# Altium PCB DIOT_Kasli_Adapter.PcbDoc (part 3 of 10) (continued)
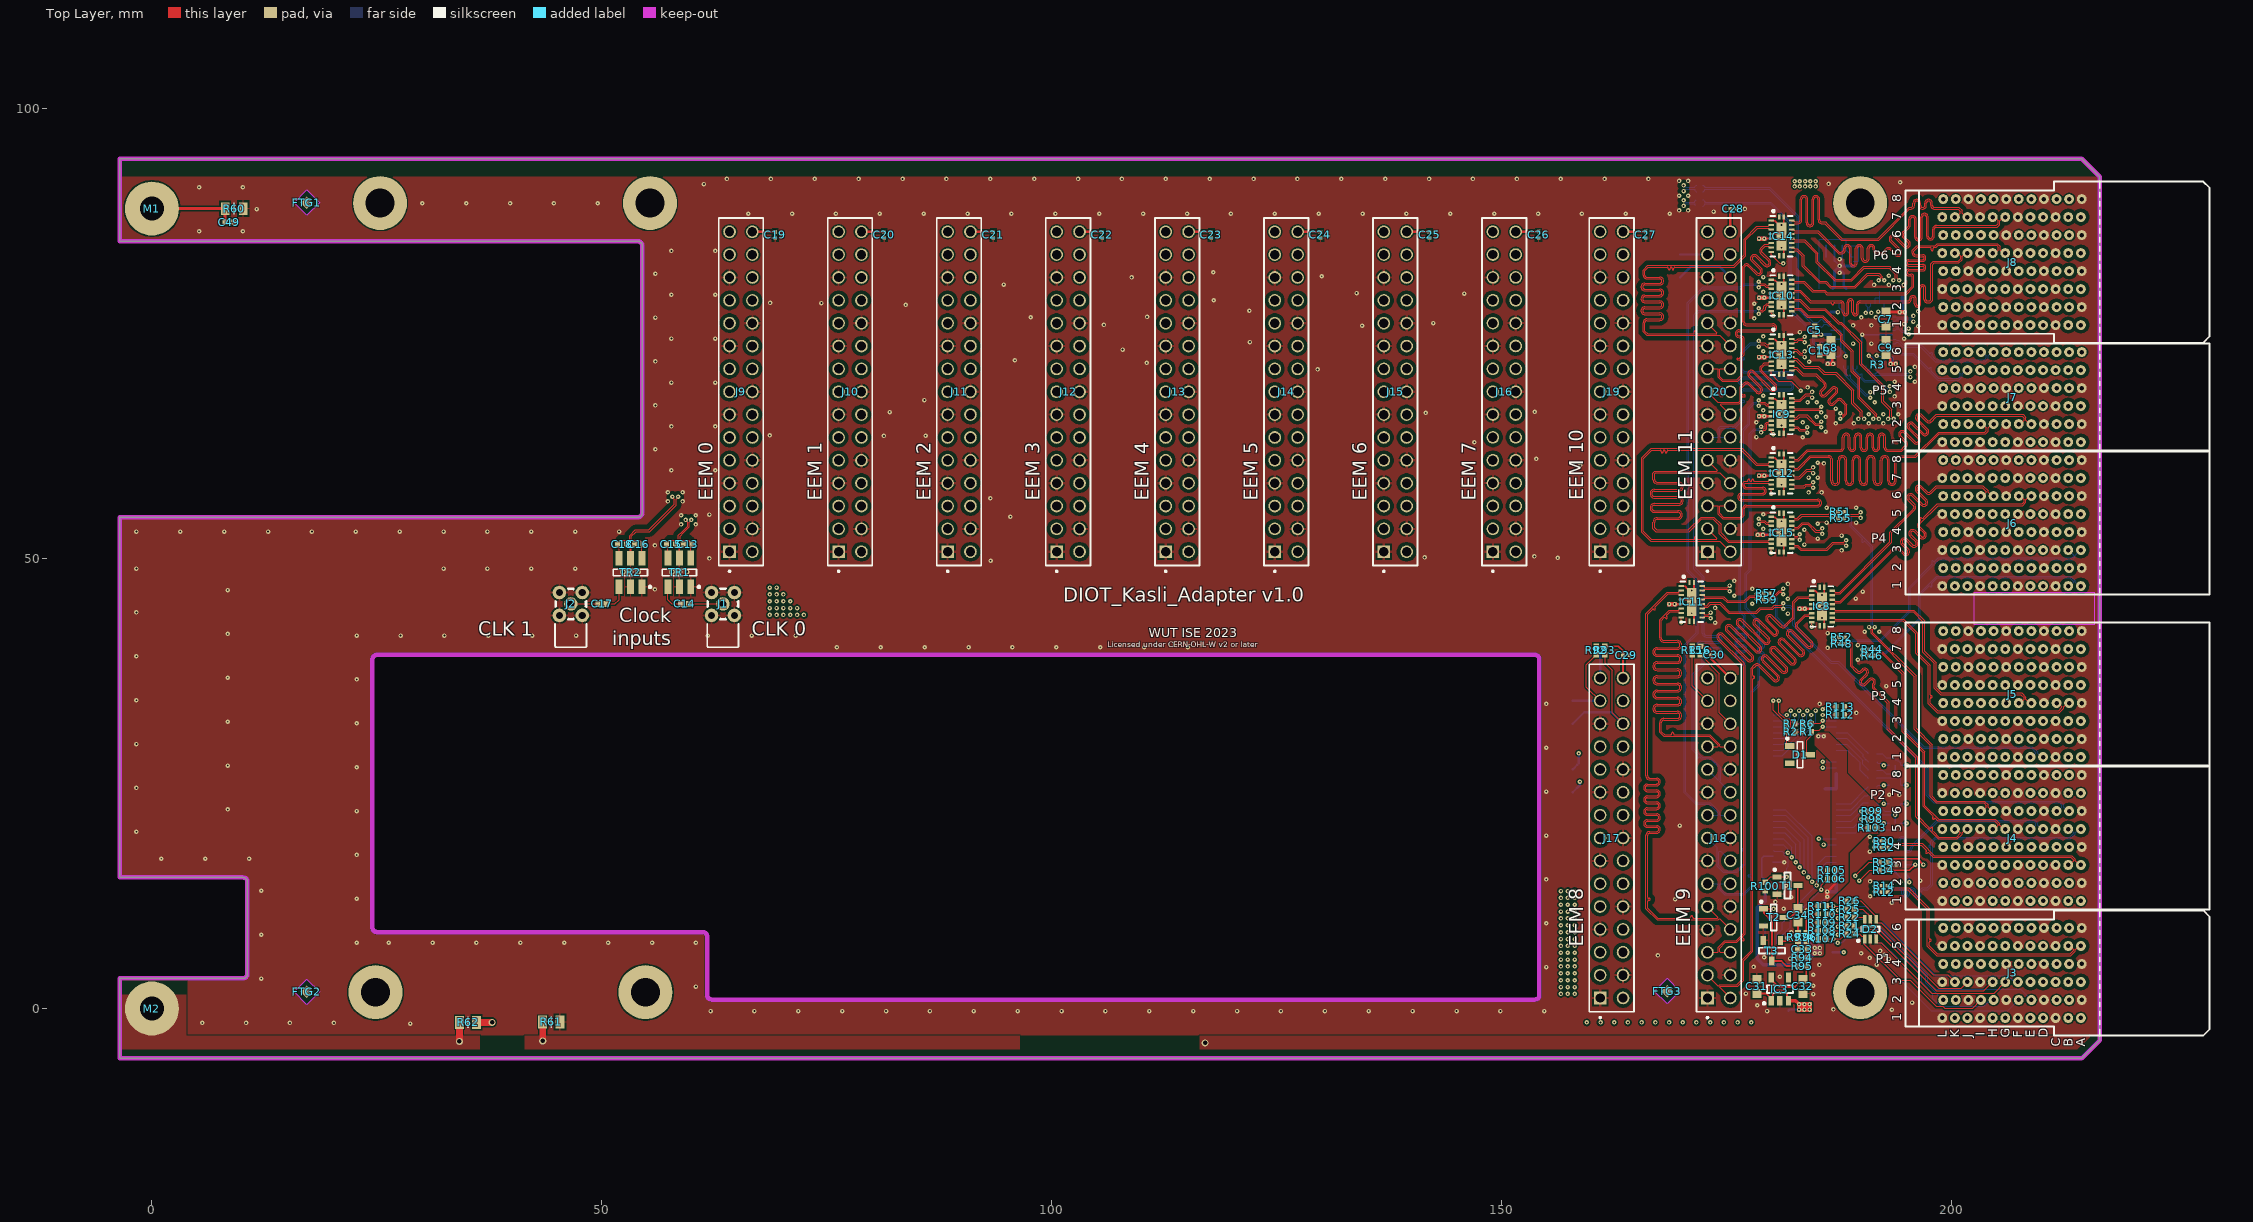
[diagram p0: Top Layer view]
## Nets (pads, with @x,y where several pads share a name; then routed paths per layer and width w, separated by ;. In a path a pad name is that pad's centre, name@x,y a point inside that pad or via, vN(x,y) a via of type N, cw(c..) or ccw(c..) an arc to the next point about the centre after c; other vN are vias at no path point) (continued)
EXT1.LVDS_1_P: J3.H6 J10.5 | length 187.4
  L7 w0.089: J10.5@76.309,55.842 77.431,55.842 77.483,55.79 77.483,55.141 78.132,54.491 79.392,54.491 80.598,53.285 81.857,52.026 cw(c81.646,51.815) 81.857,51.604 81.274,51.02 81.274,51.017 ccw(c81.669,50.688) 81.306,50.325 ccw(c81.669,50.688) 82.033,50.325 82.619,50.91 cw(c82.83,50.7) 83.041,50.911 cw(c82.83,50.7) 83.041,50.488 82.424,49.871 82.424,49.868 ccw(c82.819,49.539) 82.455,49.175 ccw(c82.819,49.539) 83.183,49.175 83.768,49.761 cw(c83.98,49.55) 84.191,49.761 cw(c83.98,49.55) 84.191,49.339 83.573,48.721 83.573,48.718 ccw(c83.968,48.389) 83.605,48.026 ccw(c83.968,48.389) 84.332,48.026 84.918,48.611 cw(c85.129,48.401) 85.34,48.612 cw(c85.129,48.401) 85.34,48.19 84.722,47.572 84.722,47.569 ccw(c85.118,47.24) 84.754,46.876 ccw(c85.118,47.24) 85.481,46.876 86.033,47.428 cw(c86.244,47.217) 86.456,47.427 86.563,47.32 88.549,45.334 107.755,45.334 108.433,45.334 cw(c108.433,45.036) 108.731,45.036 108.731,44.96 ccw(c109.245,44.96) 109.76,44.96 109.76,45.925 cw(c110.058,45.925) 110.357,45.925 110.357,44.96 ccw(c110.871,44.96) 111.385,44.96 111.385,45.925 cw(c111.684,45.925) 111.982,45.925 111.982,44.96 ccw(c112.497,44.96) 113.011,44.96 113.011,45.925 cw(c113.309,45.925) 113.608,45.925 113.608,44.96 ccw(c114.122,44.96) 114.637,44.96 114.637,45.925 cw(c114.935,45.925) 115.233,45.925 115.233,44.96 ccw(c115.748,44.96) 116.262,44.96 116.262,45.925 cw(c116.561,45.925) 116.859,45.925 116.859,44.96 ccw(c117.373,44.96) 117.888,44.96 117.888,45.925 cw(c118.186,45.925) 118.485,45.925 118.485,44.96 ccw(c118.999,44.96) 119.513,44.96 119.513,45.925 cw(c119.812,45.925) 120.11,45.925 120.11,44.96 ccw(c120.625,44.96) 121.139,44.96 121.139,45.925 cw(c121.437,45.925) 121.736,45.925 121.736,44.96 ccw(c122.25,44.96) 122.765,44.96 122.765,45.036 cw(c123.063,45.036) 123.063,45.334 123.215,45.334 124.143,45.334 125.129,44.349 141.172,44.349 142.901,42.621 157.1,42.621 159.195,40.526 159.195,36.588 160.426,35.357 167.157,35.357 169.683,32.83 176.014,32.83 182.715,26.13 182.715,24.168 193.002,13.881 193.002,13.067 198.221,7.848 203.68,7.848 204.077,8.245 204.077,8.55 204.476,8.95 J3.H6@204.669,8.95
EXT1.LVDS_2_N: J3.L6 J10.9 | length 187.4
  L4 w0.089: J10.9@76.309,60.922 77.521,59.71 77.521,59.459 77.487,59.425 77.487,57.797 78.2,57.084 79.43,57.084 80.602,55.913 80.718,55.797 ccw(c81.055,56.133) 81.392,55.796 81.966,56.37 ; 81.966,56.37 cw(c82.132,56.204) 82.298,56.37 cw(c82.132,56.204) 82.298,56.038 81.581,55.321 81.581,55.316 ccw(c81.953,55.019) 81.616,54.682 ccw(c81.953,55.019) 82.29,54.682 82.972,55.364 ; 82.972,55.365 cw(c83.138,55.198) 83.304,55.365 cw(c83.138,55.198) 83.304,55.032 82.587,54.315 82.587,54.311 ccw(c82.959,54.013) 83.296,53.677 83.977,54.358 ; 83.978,54.359 cw(c84.144,54.193) 84.31,54.359 cw(c84.144,54.193) 84.31,54.027 83.593,53.309 83.593,53.305 ccw(c83.965,53.008) 84.301,52.671 84.983,53.353 ; 84.984,53.353 cw(c85.15,53.187) 85.316,53.353 cw(c85.15,53.187) 85.316,53.021 84.742,52.446 ccw(c85.078,52.11) 84.742,51.772 85.669,50.846 90.464,46.05 91.161,46.05 91.326,46.05 ccw(c91.326,46.526) 91.802,46.526 91.802,47.466 cw(c92.037,47.466) 92.272,47.466 92.272,46.399 ccw(c92.748,46.399) 93.224,46.399 93.224,47.466 cw(c93.459,47.466) 93.694,47.466 93.694,46.399 ccw(c94.171,46.399) 94.647,46.399 94.647,47.466 cw(c94.882,47.466) 95.117,47.466 95.117,46.399 ccw(c95.593,46.399) 96.069,46.399 96.069,47.466 cw(c96.304,47.466) 96.539,47.466 96.539,46.399 ccw(c97.015,46.399) 97.492,46.399 97.492,47.466 cw(c97.727,47.466) 97.961,47.466 97.961,46.399 ccw(c98.438,46.399) 98.914,46.399 98.914,47.466 cw(c99.149,47.466) 99.384,47.466 99.384,46.399 ccw(c99.86,46.399) 100.336,46.399 100.336,47.466 cw(c100.571,47.466) 100.806,47.466 100.806,46.399 ccw(c101.283,46.399) 101.759,46.399 101.759,47.466 cw(c101.994,47.466) 102.229,47.466 102.229,46.399 ccw(c102.705,46.399) 103.181,46.399 103.181,47.466 cw(c103.416,47.466) 103.651,47.466 103.651,46.399 ccw(c104.127,46.399) 104.604,46.399 104.604,47.466 cw(c104.839,47.466) 105.073,47.466 105.073,46.526 ccw(c105.55,46.526) 105.55,46.05 106.578,46.05 130.621,46.05 133.009,43.663 159.075,43.663 172.429,30.308 176.061,30.308 187.744,18.625 187.744,17.647 190.374,15.017 191.399,15.017 196.055,10.361 199.28,10.361 199.655,9.987 199.655,9.436 199.169,8.95 J3.L6@199.069,8.95
EXT1.LVDS_2_P: J3.K6 J10.8 | length 187.4
  L4 w0.089: J10.8@78.849,58.382 77.854,59.377 77.781,59.377 77.728,59.325 77.728,57.897 78.3,57.325 79.53,57.325 79.578,57.277 79.724,57.132 ccw(c79.8,57.208) 79.877,57.132 79.989,57.244 cw(c80.065,57.167) 80.141,57.244 cw(c80.065,57.167) 80.141,57.091 80.029,56.979 ccw(c80.106,56.903) 80.029,56.826 80.213,56.642 80.772,56.083 80.889,55.966 ccw(c81.055,56.133) 81.221,55.967 81.831,56.576 81.835,56.576 cw(c82.132,56.204) 82.469,56.541 cw(c82.132,56.204) 82.469,55.868 81.787,55.186 ; 81.787,54.853 cw(c81.953,55.019) 81.787,55.185 ; 81.787,54.853 ccw(c81.953,55.019) 82.119,54.853 82.837,55.571 82.841,55.571 cw(c83.138,55.198) 83.475,55.535 cw(c83.138,55.198) 83.475,54.862 82.793,54.18 ; 82.792,53.848 cw(c82.959,54.013) 82.793,54.18 ; 82.793,53.847 ccw(c82.959,54.013) 83.125,53.847 83.843,54.565 83.847,54.565 cw(c84.144,54.193) 84.481,54.529 cw(c84.144,54.193) 84.481,53.856 83.799,53.174 ccw(c83.965,53.008) 83.798,52.842 ; 83.799,52.841 ccw(c83.965,53.008) 84.131,52.841 84.848,53.559 84.852,53.559 cw(c85.15,53.187) 85.486,53.524 cw(c85.15,53.187) 85.486,52.85 84.912,52.276 ccw(c85.078,52.11) 84.912,51.944 85.84,51.016 90.564,46.292 91.161,46.292 91.326,46.292 ccw(c91.326,46.526) 91.561,46.526 91.561,47.466 cw(c92.037,47.466) 92.513,47.466 92.513,46.399 ccw(c92.748,46.399) 92.983,46.399 92.983,47.466 cw(c93.459,47.466) 93.936,47.466 93.936,46.399 ccw(c94.171,46.399) 94.405,46.399 94.405,47.466 cw(c94.882,47.466) 95.358,47.466 95.358,46.399 ccw(c95.593,46.399) 95.828,46.399 95.828,47.466 cw(c96.304,47.466) 96.78,47.466 96.78,46.399 ccw(c97.015,46.399) 97.25,46.399 97.25,47.466 cw(c97.727,47.466) 98.203,47.466 98.203,46.399 ccw(c98.438,46.399) 98.673,46.399 98.673,47.466 cw(c99.149,47.466) 99.625,47.466 99.625,46.399 ccw(c99.86,46.399) 100.095,46.399 100.095,47.466 cw(c100.571,47.466) 101.048,47.466 101.048,46.399 ccw(c101.283,46.399) 101.517,46.399 101.517,47.466 cw(c101.994,47.466) 102.47,47.466 102.47,46.399 ccw(c102.705,46.399) 102.94,46.399 102.94,47.466 cw(c103.416,47.466) 103.892,47.466 103.892,46.399 ccw(c104.127,46.399) 104.362,46.399 104.362,47.466 cw(c104.839,47.466) 105.315,47.466 105.315,46.526 ccw(c105.55,46.526) 105.55,46.292 106.578,46.292 130.721,46.292 133.109,43.904 159.175,43.904 172.529,30.549 176.161,30.549 187.985,18.725 187.985,17.747 190.474,15.258 191.498,15.258 196.155,10.602 199.38,10.602 199.896,10.087 199.896,9.423 200.369,8.95 J3.K6@200.469,8.95
EXT1.LVDS_3_N: J8.B1 J10.12 | length 187.4
  L4 w0.089: J10.12@78.849,63.462 77.868,63.462 77.745,63.339 77.745,62.792 78.273,62.263 79.527,62.263 79.877,62.263 ccw(c79.877,62.371) 79.985,62.371 79.985,62.502 cw(c80.093,62.502) 80.2,62.502 80.2,62.371 ccw(c80.308,62.371) 80.308,62.263 80.569,62.263 80.608,62.263 81.14,62.263 cw(c81.14,61.787) 81.617,61.787 81.617,61.291 ccw(c81.851,61.291) 82.086,61.291 82.086,62.574 cw(c82.563,62.574) 83.039,62.574 83.039,61.291 ccw(c83.274,61.291) 83.509,61.291 83.509,62.574 cw(c83.985,62.574) 84.461,62.574 84.461,61.291 ccw(c84.696,61.291) 84.931,61.291 84.931,62.574 cw(c85.407,62.574) 85.884,62.574 85.884,61.291 ccw(c86.119,61.291) 86.354,61.291 86.354,61.787 cw(c86.83,61.787) 86.83,62.263 86.995,62.263 91.592,62.263 92.469,62.263 ccw(c92.469,62.498) 92.704,62.498 92.704,62.651 cw(c93.18,62.651) 93.656,62.651 93.656,61.584 ccw(c93.891,61.584) 94.126,61.584 94.126,62.651 cw(c94.602,62.651) 95.079,62.651 95.079,61.584 ccw(c95.313,61.584) 95.548,61.584 95.548,62.651 cw(c96.025,62.651) 96.501,62.651 96.501,61.584 ccw(c96.736,61.584) 96.971,61.584 96.971,62.651 cw(c97.447,62.651) 97.923,62.651 97.923,61.584 ccw(c98.158,61.584) 98.393,61.584 98.393,61.787 cw(c98.869,61.787) 98.869,62.263 99.035,62.263 103.861,62.263 104.635,62.263 ccw(c104.635,62.498) 104.87,62.498 104.87,62.651 cw(c105.346,62.651) 105.823,62.651 105.823,61.584 ccw(c106.058,61.584) 106.293,61.584 106.293,62.651 cw(c106.769,62.651) 107.245,62.651 107.245,61.584 ccw(c107.48,61.584) 107.715,61.584 107.715,62.651 cw(c108.191,62.651) 108.668,62.651 108.668,61.584 ccw(c108.902,61.584) 109.137,61.584 109.137,62.651 cw(c109.614,62.651) 110.09,62.651 110.09,61.584 ccw(c110.325,61.584) 110.56,61.584 110.56,61.787 cw(c111.036,61.787) 111.036,62.263 111.201,62.263 116.535,62.263 117.183,62.263 ccw(c117.183,62.498) 117.418,62.498 117.418,62.58 cw(c117.894,62.58) 118.37,62.58 118.37,61.701 ccw(c118.605,61.701) 118.84,61.701 118.84,62.582 cw(c119.316,62.582) 119.793,62.582 119.793,61.701 ccw(c120.028,61.701) 120.263,61.701 120.263,62.582 cw(c120.739,62.582) 121.215,62.582 121.215,61.701 ccw(c121.45,61.701) 121.685,61.701 121.685,61.787 cw(c122.161,61.787) 122.161,62.263 122.326,62.263 142.297,62.263 147.503,67.469 176.36,67.469 178.435,69.544 182.023,69.544 182.429,69.95 190.206,69.95 192.885,72.629 195.89,72.629 197.986,74.726 198.018,74.726 198.063,74.726 ccw(c198.063,74.834) 198.171,74.834 198.171,74.901 cw(c198.279,74.901) 198.387,74.901 198.387,74.834 ccw(c198.495,74.834) 198.495,74.726 198.755,74.726 213.306,74.726 213.548,74.967 213.548,75.217 213.548,75.391 212.989,75.95 J8.B1@212.969,75.95
EXT1.LVDS_3_P: J8.A1 J10.11 | length 187.4
  L4 w0.089: J10.11@76.309,63.462 77.381,63.462 77.504,63.339 77.504,62.692 78.173,62.022 80.608,62.022 81.14,62.022 cw(c81.14,61.787) 81.375,61.787 81.375,61.291 ccw(c81.851,61.291) 82.328,61.291 82.328,62.574 cw(c82.563,62.574) 82.798,62.574 82.798,61.291 ccw(c83.274,61.291) 83.75,61.291 83.75,62.574 cw(c83.985,62.574) 84.22,62.574 84.22,61.291 ccw(c84.696,61.291) 85.173,61.291 85.173,62.574 cw(c85.407,62.574) 85.642,62.574 85.642,61.291 ccw(c86.119,61.291) 86.595,61.291 86.595,61.787 cw(c86.83,61.787) 86.83,62.022 86.995,62.022 91.592,62.022 92.469,62.022 ccw(c92.469,62.498) 92.945,62.498 92.945,62.651 cw(c93.18,62.651) 93.415,62.651 93.415,61.584 ccw(c93.891,61.584) 94.367,61.584 94.367,62.651 cw(c94.602,62.651) 94.837,62.651 94.837,61.584 ccw(c95.313,61.584) 95.79,61.584 95.79,62.651 cw(c96.025,62.651) 96.26,62.651 96.26,61.584 ccw(c96.736,61.584) 97.212,61.584 97.212,62.651 cw(c97.447,62.651) 97.682,62.651 97.682,61.584 ccw(c98.158,61.584) 98.635,61.584 98.635,61.787 cw(c98.869,61.787) 98.869,62.022 99.035,62.022 103.861,62.022 104.635,62.022 ccw(c104.635,62.498) 105.112,62.498 105.112,62.651 cw(c105.346,62.651) 105.581,62.651 105.581,61.584 ccw(c106.058,61.584) 106.534,61.584 106.534,62.651 cw(c106.769,62.651) 107.004,62.651 107.004,61.584 ccw(c107.48,61.584) 107.956,61.584 107.956,62.651 cw(c108.191,62.651) 108.426,62.651 108.426,61.584 ccw(c108.902,61.584) 109.379,61.584 109.379,62.651 cw(c109.614,62.651) 109.849,62.651 109.849,61.584 ccw(c110.325,61.584) 110.801,61.584 110.801,61.787 cw(c111.036,61.787) 111.036,62.022 111.201,62.022 116.535,62.022 117.183,62.022 ccw(c117.183,62.498) 117.659,62.498 117.659,62.58 cw(c117.894,62.58) 118.129,62.58 118.129,61.701 ccw(c118.605,61.701) 119.082,61.701 119.082,62.582 cw(c119.316,62.582) 119.551,62.582 119.551,61.701 ccw(c120.028,61.701) 120.504,61.701 120.504,62.582 cw(c120.739,62.582) 120.974,62.582 120.974,61.701 ccw(c121.45,61.701) 121.926,61.701 121.926,61.787 cw(c122.161,61.787) 122.161,62.022 122.326,62.022 142.397,62.022 147.603,67.228 176.46,67.228 178.535,69.303 182.122,69.303 182.529,69.709 190.306,69.709 192.985,72.388 195.99,72.388 198.086,74.484 213.406,74.484 213.789,74.867 213.789,75.317 213.789,75.391 214.349,75.95 J8.A1@214.369,75.95
EXT1.LVDS_4_N: J8.E1 J10.15 | length 187.4
  L4 w0.089: J10.15@76.309,68.542 77.482,67.369 77.482,67.118 77.448,67.084 77.448,65.351 78.188,64.611 116.764,64.611 116.929,64.611 ccw(c116.929,65.087) 117.405,65.087 117.405,65.728 cw(c117.64,65.728) 117.875,65.728 117.875,64.655 ccw(c118.351,64.655) 118.828,64.655 118.828,65.728 cw(c119.063,65.728) 119.297,65.728 119.297,64.655 ccw(c119.774,64.655) 120.25,64.655 120.25,65.728 cw(c120.485,65.728) 120.72,65.728 120.72,64.655 ccw(c121.196,64.655) 121.672,64.655 121.672,65.728 cw(c121.907,65.728) 122.142,65.728 122.142,65.087 ccw(c122.619,65.087) 122.619,64.611 124.104,64.611 128.803,64.611 128.969,64.611 ccw(c128.969,65.087) 129.445,65.087 129.445,65.29 cw(c129.68,65.29) 129.915,65.29 129.915,64.223 ccw(c130.391,64.223) 130.867,64.223 130.867,65.29 cw(c131.102,65.29) 131.337,65.29 131.337,64.223 ccw(c131.813,64.223) 132.29,64.223 132.29,65.29 cw(c132.525,65.29) 132.759,65.29 132.759,64.223 ccw(c133.236,64.223) 133.712,64.223 133.712,65.29 cw(c133.947,65.29) 134.182,65.29 134.182,64.223 ccw(c134.658,64.223) 135.134,64.223 135.134,64.376 cw(c135.369,64.376) 135.369,64.611 136.423,64.611 141.883,64.611 146.916,69.643 153.111,69.643 153.276,69.643 ccw(c153.276,70.12) 153.753,70.12 153.753,70.298 cw(c153.988,70.298) 154.222,70.298 154.222,69.231 ccw(c154.699,69.231) 155.175,69.231 155.175,70.298 cw(c155.41,70.298) 155.645,70.298 155.645,69.231 ccw(c156.121,69.231) 156.597,69.231 156.597,70.298 cw(c156.832,70.298) 157.067,70.298 157.067,69.231 ccw(c157.544,69.231) 158.02,69.231 158.02,70.298 cw(c158.255,70.298) 158.49,70.298 158.49,69.231 ccw(c158.966,69.231) 159.442,69.231 159.442,69.409 cw(c159.677,69.409) 159.677,69.643 160.35,69.643 164.821,69.643 164.986,69.643 ccw(c164.986,70.12) 165.462,70.12 165.462,70.298 cw(c165.697,70.298) 165.932,70.298 165.932,69.231 ccw(c166.408,69.231) 166.884,69.231 166.884,70.298 cw(c167.119,70.298) 167.354,70.298 167.354,69.231 ccw(c167.831,69.231) 168.307,69.231 168.307,70.298 cw(c168.542,70.298) 168.777,70.298 168.777,69.231 ccw(c169.253,69.231) 169.729,69.231 169.729,70.298 cw(c169.964,70.298) 170.199,70.298 170.199,69.231 ccw(c170.675,69.231) 171.152,69.231 171.152,69.409 cw(c171.387,69.409) 171.387,69.643 172.085,69.643 176.761,69.643 177.697,70.58 187.756,70.58 190.314,73.137 192.278,73.137 192.597,73.456 195.268,73.456 198.698,76.886 209,76.886 209.348,76.538 209.348,76.413 208.885,75.95 J8.E1@208.769,75.95
EXT1.LVDS_4_P: J8.D1 J10.14 | length 187.4
  L4 w0.089: J10.14@78.849,66.002 77.815,67.036 77.741,67.036 77.689,66.984 77.689,65.451 78.288,64.852 79.477,64.852 79.724,64.852 ccw(c79.724,64.96) 79.832,64.96 79.832,65.061 cw(c79.94,65.061) 80.048,65.061 80.048,64.96 ccw(c80.156,64.96) 80.156,64.852 80.416,64.852 116.764,64.852 116.929,64.852 ccw(c116.929,65.087) 117.164,65.087 117.164,65.728 cw(c117.64,65.728) 118.116,65.728 118.116,64.655 ccw(c118.351,64.655) 118.586,64.655 118.586,65.728 cw(c119.063,65.728) 119.539,65.728 119.539,64.655 ccw(c119.774,64.655) 120.009,64.655 120.009,65.728 cw(c120.485,65.728) 120.961,65.728 120.961,64.655 ccw(c121.196,64.655) 121.431,64.655 121.431,65.728 cw(c121.907,65.728) 122.384,65.728 122.384,65.087 ccw(c122.619,65.087) 122.619,64.852 124.104,64.852 128.803,64.852 128.969,64.852 ccw(c128.969,65.087) 129.203,65.087 129.203,65.29 cw(c129.68,65.29) 130.156,65.29 130.156,64.223 ccw(c130.391,64.223) 130.626,64.223 130.626,65.29 cw(c131.102,65.29) 131.578,65.29 131.578,64.223 ccw(c131.813,64.223) 132.048,64.223 132.048,65.29 cw(c132.525,65.29) 133.001,65.29 133.001,64.223 ccw(c133.236,64.223) 133.471,64.223 133.471,65.29 cw(c133.947,65.29) 134.423,65.29 134.423,64.223 ccw(c134.658,64.223) 134.893,64.223 134.893,64.376 cw(c135.369,64.376) 135.369,64.852 136.423,64.852 141.783,64.852 146.816,69.885 153.111,69.885 153.276,69.885 ccw(c153.276,70.12) 153.511,70.12 153.511,70.298 cw(c153.988,70.298) 154.464,70.298 154.464,69.231 ccw(c154.699,69.231) 154.934,69.231 154.934,70.298 cw(c155.41,70.298) 155.886,70.298 155.886,69.231 ccw(c156.121,69.231) 156.356,69.231 156.356,70.298 cw(c156.832,70.298) 157.309,70.298 157.309,69.231 ccw(c157.544,69.231) 157.778,69.231 157.778,70.298 cw(c158.255,70.298) 158.731,70.298 158.731,69.231 ccw(c158.966,69.231) 159.201,69.231 159.201,69.409 cw(c159.677,69.409) 159.677,69.885 160.35,69.885 164.821,69.885 164.986,69.885 ccw(c164.986,70.12) 165.221,70.12 165.221,70.298 cw(c165.697,70.298) 166.173,70.298 166.173,69.231 ccw(c166.408,69.231) 166.643,69.231 166.643,70.298 cw(c167.119,70.298) 167.596,70.298 167.596,69.231 ccw(c167.831,69.231) 168.065,69.231 168.065,70.298 cw(c168.542,70.298) 169.018,70.298 169.018,69.231 ccw(c169.253,69.231) 169.488,69.231 169.488,70.298 cw(c169.964,70.298) 170.44,70.298 170.44,69.231 ccw(c170.675,69.231) 170.91,69.231 170.91,69.409 cw(c171.387,69.409) 171.387,69.885 172.085,69.885 176.661,69.885 177.597,70.821 187.656,70.821 190.214,73.378 192.178,73.378 192.497,73.697 195.168,73.697 198.598,77.127 209.1,77.127 209.589,76.638 209.589,76.413 210.053,75.95 J8.D1@210.169,75.95
EXT1.LVDS_5_N: J8.H1 J10.18 | length 186.8
  L9 w0.089: J10.18@78.849,71.082 77.752,71.082 77.7,71.03 77.7,70.704 78.418,69.987 80.031,69.987 80.152,69.865 80.285,69.732 ccw(c80.362,69.809) 80.438,69.732 80.466,69.76 cw(c80.542,69.684) 80.618,69.76 cw(c80.542,69.684) 80.618,69.607 80.59,69.58 ccw(c80.667,69.503) 80.59,69.427 80.775,69.243 85.159,64.858 91.551,64.858 92.464,64.858 ccw(c92.464,65.093) 92.698,65.093 92.698,65.17 cw(c93.175,65.17) 93.651,65.17 93.651,64.103 ccw(c93.886,64.103) 94.121,64.103 94.121,65.17 cw(c94.597,65.17) 95.073,65.17 95.073,64.103 ccw(c95.308,64.103) 95.543,64.103 95.543,65.17 cw(c96.02,65.17) 96.496,65.17 96.496,64.103 ccw(c96.731,64.103) 96.966,64.103 96.966,65.17 cw(c97.442,65.17) 97.918,65.17 97.918,64.103 ccw(c98.153,64.103) 98.388,64.103 98.388,64.382 cw(c98.864,64.382) 98.864,64.858 99.029,64.858 103.353,64.858 104.381,64.858 ccw(c104.381,65.093) 104.616,65.093 104.616,65.22 cw(c105.092,65.22) 105.569,65.22 105.569,64.154 ccw(c105.804,64.154) 106.039,64.154 106.039,65.22 cw(c106.515,65.22) 106.991,65.22 106.991,64.154 ccw(c107.226,64.154) 107.461,64.154 107.461,65.22 cw(c107.937,65.22) 108.414,65.22 108.414,64.154 ccw(c108.648,64.154) 108.883,64.154 108.883,65.22 cw(c109.36,65.22) 109.836,65.22 109.836,64.154 ccw(c110.071,64.154) 110.306,64.154 110.306,64.382 cw(c110.782,64.382) 110.782,64.858 110.947,64.858 116.078,64.858 116.776,64.858 ccw(c116.776,65.093) 117.011,65.093 117.011,65.144 cw(c117.488,65.144) 117.964,65.144 117.964,64.077 ccw(c118.199,64.077) 118.434,64.077 118.434,65.144 cw(c118.91,65.144) 119.386,65.144 119.386,64.077 ccw(c119.621,64.077) 119.856,64.077 119.856,65.144 cw(c120.332,65.144) 120.809,65.144 120.809,64.077 ccw(c121.044,64.077) 121.279,64.077 121.279,65.144 cw(c121.755,65.144) 122.231,65.144 122.231,64.077 ccw(c122.466,64.077) 122.701,64.077 122.701,64.382 cw(c123.177,64.382) 123.177,64.858 123.342,64.858 129.436,64.858 134.459,59.835 141.448,59.835 144.102,57.181 154.036,57.181 159.108,62.253 164.382,62.253 165.805,63.676 166.203,64.074 cw(c166.54,63.737) 166.877,64.074 167.088,63.862 ccw(c167.254,64.029) 167.42,63.863 ccw(c167.254,64.029) 167.42,64.195 166.86,64.755 cw(c167.196,65.092) 166.86,65.429 cw(c167.196,65.092) 167.494,65.464 167.498,65.464 ; 167.498,65.464 168.094,64.868 ccw(c168.26,65.035) 168.426,64.868 ccw(c168.26,65.035) 168.426,65.201 167.866,65.761 cw(c168.202,66.098) 167.865,66.435 cw(c168.202,66.098) 168.499,66.47 168.504,66.47 169.1,65.874 ccw(c169.266,66.04) 169.432,65.874 ccw(c169.266,66.04) 169.431,66.207 168.872,66.766 cw(c169.208,67.104) 168.871,67.441 cw(c169.208,67.104) 169.505,67.476 169.509,67.476 170.106,66.88 ccw(c170.271,67.046) 170.438,66.88 ccw(c170.271,67.046) 170.437,67.212 170.227,67.423 cw(c170.563,67.76) 170.226,68.097 170.343,68.214 172.034,69.904 176.52,69.904 177.267,70.651 181.801,70.651 182.154,71.004 184.448,71.004 186.813,73.368 192.774,73.368 193.181,73.775 196.415,73.775 197.628,74.988 197.764,74.988 197.809,74.988 ccw(c197.809,75.096) 197.917,75.096 197.917,75.211 cw(c198.025,75.211) 198.133,75.211 198.133,75.096 ccw(c198.241,75.096) 198.241,74.988 198.45,74.988 204.903,74.988 205.148,75.234 205.148,75.371 J8.H1@204.569,75.95
EXT1.LVDS_5_P: J8.G1 J10.17 | length 186.8
  L9 w0.089: J10.17@76.309,71.082 77.406,71.082 77.458,71.03 77.458,70.605 78.318,69.745 79.931,69.745 85.059,64.617 91.551,64.617 92.464,64.617 ccw(c92.464,65.093) 92.94,65.093 92.94,65.17 cw(c93.175,65.17) 93.41,65.17 93.41,64.103 ccw(c93.886,64.103) 94.362,64.103 94.362,65.17 cw(c94.597,65.17) 94.832,65.17 94.832,64.103 ccw(c95.308,64.103) 95.785,64.103 95.785,65.17 cw(c96.02,65.17) 96.254,65.17 96.254,64.103 ccw(c96.731,64.103) 97.207,64.103 97.207,65.17 cw(c97.442,65.17) 97.677,65.17 97.677,64.103 ccw(c98.153,64.103) 98.629,64.103 98.629,64.382 cw(c98.864,64.382) 98.864,64.617 99.029,64.617 103.353,64.617 104.381,64.617 ccw(c104.381,65.093) 104.858,65.093 104.858,65.22 cw(c105.092,65.22) 105.327,65.22 105.327,64.154 ccw(c105.804,64.154) 106.28,64.154 106.28,65.22 cw(c106.515,65.22) 106.75,65.22 106.75,64.154 ccw(c107.226,64.154) 107.702,64.154 107.702,65.22 cw(c107.937,65.22) 108.172,65.22 108.172,64.154 ccw(c108.648,64.154) 109.125,64.154 109.125,65.22 cw(c109.36,65.22) 109.595,65.22 109.595,64.154 ccw(c110.071,64.154) 110.547,64.154 110.547,64.382 cw(c110.782,64.382) 110.782,64.617 110.947,64.617 116.078,64.617 116.776,64.617 ccw(c116.776,65.093) 117.253,65.093 117.253,65.144 cw(c117.488,65.144) 117.723,65.144 117.723,64.077 ccw(c118.199,64.077) 118.675,64.077 118.675,65.144 cw(c118.91,65.144) 119.145,65.144 119.145,64.077 ccw(c119.621,64.077) 120.098,64.077 120.098,65.144 cw(c120.332,65.144) 120.567,65.144 120.567,64.077 ccw(c121.044,64.077) 121.52,64.077 121.52,65.144 cw(c121.755,65.144) 121.99,65.144 121.99,64.077 ccw(c122.466,64.077) 122.942,64.077 122.942,64.382 cw(c123.177,64.382) 123.177,64.617 123.342,64.617 129.336,64.617 134.359,59.594 141.348,59.594 144.002,56.94 154.135,56.94 159.207,62.012 164.482,62.012 165.976,63.505 166.374,63.903 cw(c166.54,63.737) 166.706,63.903 166.917,63.693 ccw(c167.254,64.029) 167.591,63.692 ccw(c167.254,64.029) 167.626,64.326 167.626,64.33 167.03,64.926 cw(c167.196,65.092) 167.03,65.258 cw(c167.196,65.092) 167.363,65.258 ; 167.363,65.258 167.922,64.698 ccw(c168.26,65.035) 168.597,64.698 ccw(c168.26,65.035) 168.632,65.332 168.632,65.336 168.036,65.932 cw(c168.202,66.098) 168.036,66.264 cw(c168.202,66.098) 168.369,66.264 ; 168.369,66.263 168.928,65.704 ccw(c169.266,66.04) 169.602,65.704 ccw(c169.266,66.04) 169.638,66.338 169.638,66.342 169.041,66.938 cw(c169.208,67.104) 169.042,67.27 cw(c169.208,67.104) 169.374,67.27 ; 169.375,67.269 169.934,66.71 ccw(c170.271,67.046) 170.608,66.709 ccw(c170.271,67.046) 170.644,67.343 170.644,67.348 170.396,67.595 cw(c170.563,67.76) 170.397,67.926 170.514,68.043 172.134,69.663 176.62,69.663 177.366,70.41 181.901,70.41 182.254,70.763 184.548,70.763 186.913,73.127 192.874,73.127 193.281,73.534 196.515,73.534 197.728,74.747 205.003,74.747 205.389,75.134 205.389,75.371 J8.G1@205.969,75.95
EXT1.LVDS_6_N: J8.K1 J10.21 | length 187.4
  L9 w0.089: J10.21@76.309,76.162 77.481,74.99 77.481,73.073 78.233,72.321 82.564,72.321 85.274,69.61 92.558,69.61 92.723,69.61 ccw(c92.723,70.087) 93.199,70.087 93.199,70.264 cw(c93.434,70.264) 93.669,70.264 93.669,69.198 ccw(c94.145,69.198) 94.621,69.198 94.621,70.264 cw(c94.856,70.264) 95.091,70.264 95.091,69.198 ccw(c95.568,69.198) 96.044,69.198 96.044,70.264 cw(c96.279,70.264) 96.514,70.264 96.514,69.198 ccw(c96.99,69.198) 97.466,69.198 97.466,70.264 cw(c97.701,70.264) 97.936,70.264 97.936,69.198 ccw(c98.412,69.198) 98.889,69.198 98.889,69.375 cw(c99.124,69.375) 99.124,69.61 99.771,69.61 104.572,69.61 104.737,69.61 ccw(c104.737,70.087) 105.213,70.087 105.213,70.264 cw(c105.448,70.264) 105.683,70.264 105.683,69.198 ccw(c106.159,69.198) 106.636,69.198 106.636,70.264 cw(c106.871,70.264) 107.105,70.264 107.105,69.198 ccw(c107.582,69.198) 108.058,69.198 108.058,70.264 cw(c108.293,70.264) 108.528,70.264 108.528,69.198 ccw(c109.004,69.198) 109.48,69.198 109.48,70.264 cw(c109.715,70.264) 109.95,70.264 109.95,69.198 ccw(c110.427,69.198) 110.903,69.198 110.903,69.375 cw(c111.138,69.375) 111.138,69.61 111.938,69.61 116.713,69.61 116.878,69.61 ccw(c116.878,70.087) 117.354,70.087 117.354,70.264 cw(c117.589,70.264) 117.824,70.264 117.824,69.198 ccw(c118.301,69.198) 118.777,69.198 118.777,70.264 cw(c119.012,70.264) 119.247,70.264 119.247,69.198 ccw(c119.723,69.198) 120.199,69.198 120.199,70.264 cw(c120.434,70.264) 120.669,70.264 120.669,69.198 ccw(c121.145,69.198) 121.622,69.198 121.622,70.264 cw(c121.857,70.264) 122.091,70.264 122.091,69.198 ccw(c122.568,69.198) 123.044,69.198 123.044,69.375 cw(c123.279,69.375) 123.279,69.61 124.155,69.61 129.226,69.61 129.835,69.002 129.951,68.886 ccw(c130.288,69.222) 130.625,68.885 130.68,68.94 ; 130.681,68.941 cw(c130.847,68.775) 131.013,68.941 cw(c130.847,68.775) 131.013,68.608 130.331,67.927 130.331,67.923 ccw(c130.704,67.625) 130.367,67.289 ccw(c130.704,67.625) 131.04,67.289 131.686,67.934 ; 131.686,67.935 cw(c131.853,67.769) 132.019,67.935 cw(c131.853,67.769) 132.019,67.603 131.337,66.921 131.337,66.917 ccw(c131.709,66.62) 132.046,66.283 132.692,66.929 ; 132.692,66.929 cw(c132.858,66.763) 133.025,66.929 cw(c132.858,66.763) 133.025,66.597 132.343,65.915 132.343,65.911 ccw(c132.715,65.614) 133.052,65.277 133.14,65.365 cw(c133.306,65.199) 133.472,65.365 134.077,64.76 134.198,64.638 141.993,64.638 143.346,63.285 143.462,63.169 ccw(c143.799,63.505) 144.136,63.168 144.147,63.179 cw(c144.314,63.014) 144.48,63.18 cw(c144.314,63.014) 144.48,62.847 143.96,62.327 143.96,62.323 ccw(c144.332,62.026) 143.995,61.689 ccw(c144.332,62.026) 144.668,61.689 145.153,62.173 cw(c145.319,62.008) 145.486,62.174 cw(c145.319,62.008) 145.486,61.842 145.474,61.83 ccw(c145.811,61.493) 145.475,61.156 146.038,60.593 147.1,59.531 154.118,59.531 159.198,64.611 164.455,64.611 172.075,72.231 176.14,72.231 177.189,73.279 177.189,74.006 178.366,75.184 181.963,75.184 184.966,78.187 196.61,78.187 198.066,76.731 200.68,76.731 200.948,76.463 200.948,76.389 200.509,75.95 J8.K1@200.369,75.95